# Altium PCB GE21_M1_pku_f100.PcbDoc (part 16 of 19)
Units mm, origin at the board's own origin, x right, y up, seen from the top; angles counter-clockwise.
Board outline 423.9 x 668.59 mm, 8 copper layers (Top Layer, Signal 1, DGNG1, POWER, AGND, DGND2, Signal 2, Bottom Layer), stack 1.03 mm thick; 171 components, 336 nets, 2040 pads, 4872 vias.
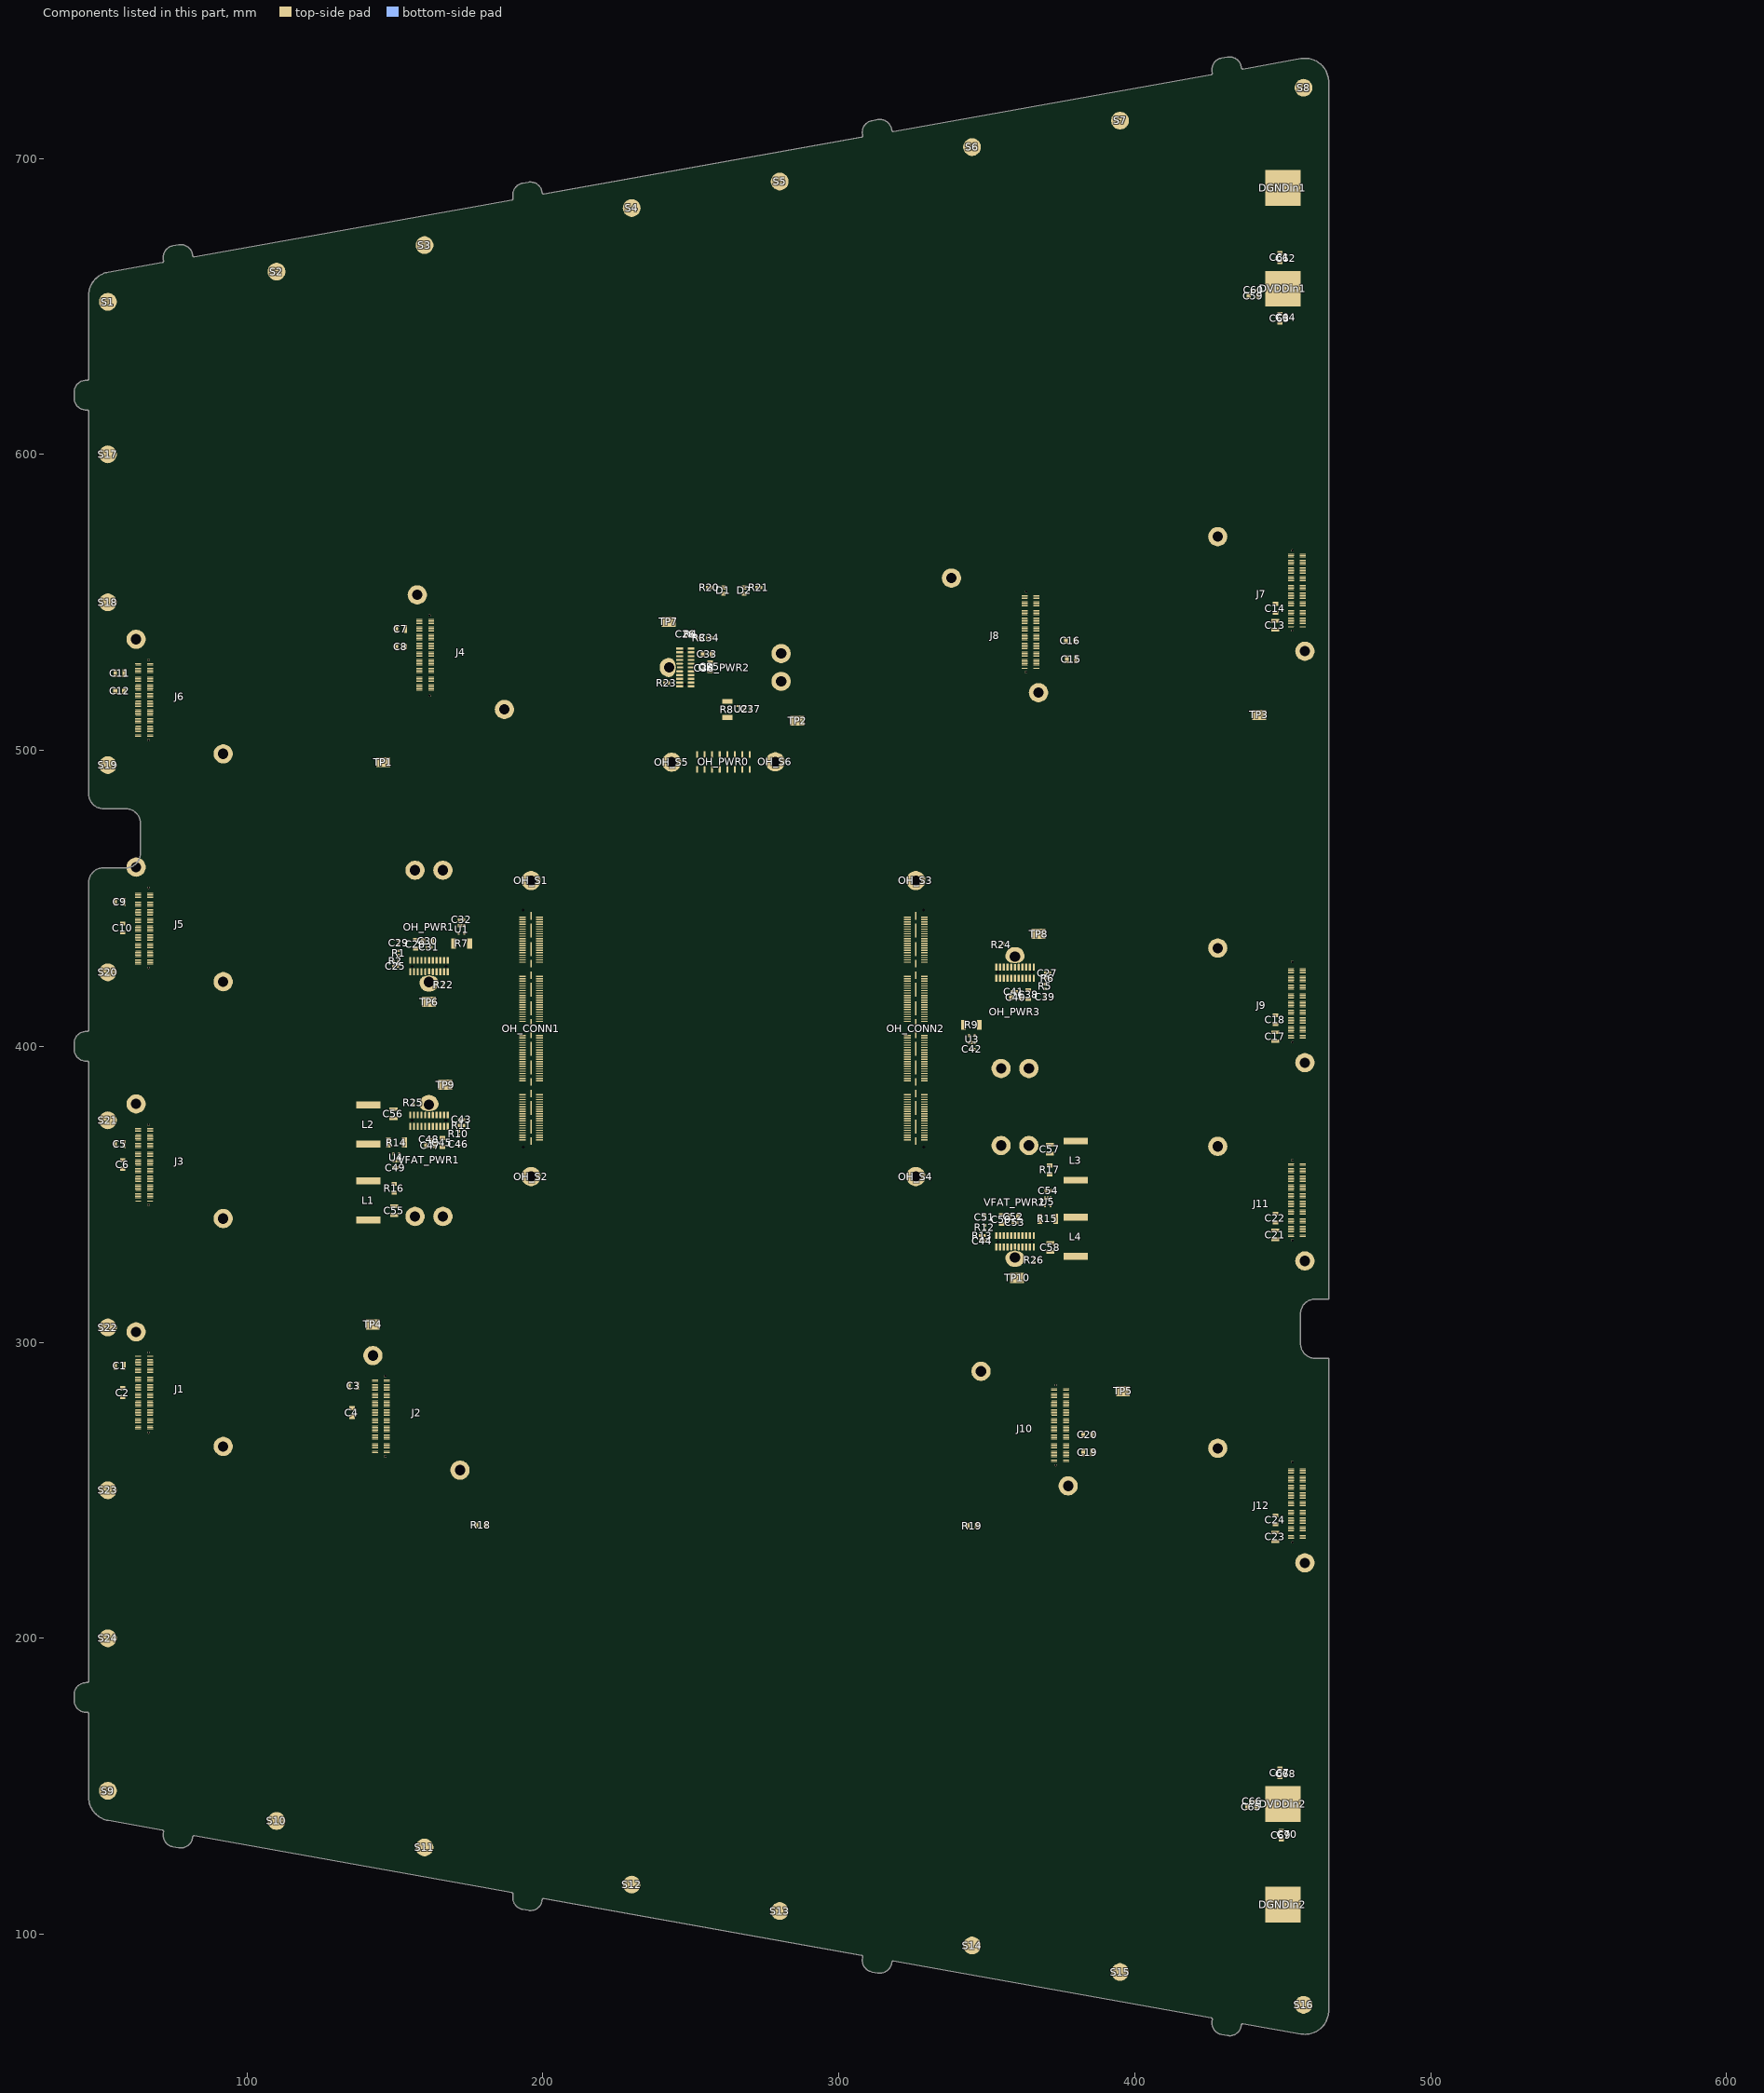
[diagram p22: the components of this part, seen from the top]

## Via types
v1: diameter 0.508, hole 0.203, Top Layer to Bottom Layer, tented both sides, 1688 vias
v2: diameter 0.402/0.402/0.402/0.201 (per signal layer), hole 0.201, Top Layer to Bottom Layer, tented both sides, 1040 vias
v3: diameter 0.507, hole 0.202, Top Layer to Bottom Layer, tented both sides, 780 vias
v4: diameter 0.4, hole 0, Top Layer to Bottom Layer, tented both sides, 438 vias
v5: diameter 0.4, hole 0.2, Top Layer to Bottom Layer, tented both sides, 288 vias
v6: diameter 0.51, hole 0.204, Top Layer to Bottom Layer, tented both sides, 288 vias
v7: diameter 0.6/0.4/0.4/0.4 (per signal layer), hole 0.3, Top Layer to Bottom Layer, tented both sides, 254 vias
v8: diameter 0.402, hole 0.201, Top Layer to Bottom Layer, tented both sides, 96 vias

## Nets (pads, with @x,y where several pads share a name; then routed paths per layer and width w, separated by ;. In a path a pad name is that pad's centre, name@x,y a point inside that pad or via, vN(x,y) a via of type N, cw(c..) or ccw(c..) an arc to the next point about the centre after c; other vN are vias at no path point) (continued)
copper on no net: (continued)
  Top Layer w0.025: 256.656,161.282 256.859,161.282 ; 256.656,161.307 256.884,161.307 ; 256.656,161.332 256.884,161.332 ; 256.656,161.358 256.884,161.358 ; 256.656,164.33 256.884,164.33 ; 256.656,164.355 256.884,164.355 ; 256.656,164.38 256.884,164.38 ; 256.656,164.406 256.859,164.406 ; 256.656,166.768 257.138,166.768 ; 256.656,166.793 257.138,166.793 ; 256.656,170.527 257.138,170.527 ; 256.656,171.619 257.621,171.619 ; 256.656,173.321 257.875,173.321 ; 256.681,152.392 257.9,152.392 ; 256.681,154.093 257.646,154.093 ; 256.681,158.945 257.164,158.945 ; 256.681,158.97 257.189,158.97 ; 256.681,161.383 256.884,161.383 ; 256.681,161.409 256.884,161.409 ; 256.681,161.434 256.91,161.434 ; 256.681,161.459 256.91,161.459 ; 256.681,164.228 256.91,164.228 ; 256.681,164.253 256.91,164.253 ; 256.681,164.279 256.884,164.279 ; 256.681,164.304 256.884,164.304 ; 256.681,166.717 257.164,166.717 ; 256.681,166.743 257.164,166.743 ; 256.681,168.114 257.392,168.114 ; 256.681,168.14 257.443,168.14 ; 256.681,170.502 257.164,170.502 ; 256.681,171.594 257.646,171.594 ; 256.681,173.296 257.9,173.296 ; 256.706,154.119 257.672,154.119 ; 256.706,158.996 257.189,158.996 ; 256.706,161.485 256.91,161.485 ; 256.706,161.51 256.91,161.51 ; 256.706,161.536 256.91,161.536 ; 256.706,161.561 256.935,161.561 ; 256.706,161.586 256.935,161.586 ; 256.706,161.612 256.935,161.612 ; 256.706,164.076 256.935,164.076 ; 256.706,164.101 256.935,164.101 ; 256.706,164.126 256.935,164.126 ; 256.706,164.152 256.91,164.152 ; 256.706,164.177 256.91,164.177 ; 256.706,164.203 256.91,164.203 ; 256.706,166.692 257.189,166.692 ; 256.706,168.089 257.367,168.089 ; 256.706,168.165 257.494,168.165 ; 256.706,168.19 258.002,168.19 ; 256.706,170.476 257.189,170.476 ; 256.706,171.569 257.672,171.569 ; 256.732,152.417 257.926,152.417 ; 256.732,154.144 257.697,154.144 ; 256.732,159.021 257.214,159.021 ; 256.732,159.046 257.214,159.046 ; 256.732,161.637 256.935,161.637 ; 256.732,161.663 256.935,161.663 ; 256.732,161.688 256.96,161.688 ; 256.732,161.713 256.96,161.713 ; 256.732,161.739 256.96,161.739 ; 256.732,163.949 256.96,163.949 ; 256.732,163.974 256.96,163.974 ; 256.732,163.999 256.96,163.999 ; 256.732,164.025 256.935,164.025 ; 256.732,164.05 256.935,164.05 ; 256.732,166.641 257.214,166.641 ; 256.732,166.666 257.214,166.666 ; 256.732,168.063 257.341,168.063 ; 256.732,168.216 257.976,168.216 ; 256.732,170.451 257.214,170.451 ; 256.732,173.27 257.926,173.27 ; 256.757,159.072 257.24,159.072 ; 256.757,159.097 257.24,159.097 ; 256.757,161.764 256.96,161.764 ; 256.757,161.79 256.96,161.79 ; 256.757,161.815 256.96,161.815 ; 256.757,161.84 256.986,161.84 ; 256.757,161.866 256.986,161.866 ; 256.757,161.891 256.986,161.891 ; 256.757,161.917 256.986,161.917 ; 256.757,163.771 256.986,163.771 ; 256.757,163.796 256.986,163.796 ; 256.757,163.822 256.986,163.822 ; 256.757,163.847 256.986,163.847 ; 256.757,163.872 256.96,163.872 ; 256.757,163.898 256.96,163.898 ; 256.757,163.923 256.96,163.923 ; 256.757,166.59 257.24,166.59 ; 256.757,166.616 257.24,166.616 ; 256.757,168.038 257.291,168.038 ; 256.757,168.241 257.951,168.241 ; 256.757,171.543 257.697,171.543 ; 256.757,173.245 257.976,173.245 ; 256.783,152.442 257.976,152.442 ; 256.783,154.17 257.748,154.17 ; 256.783,159.123 257.265,159.123 ; 256.783,161.942 256.986,161.942 ; 256.783,161.967 256.986,161.967 ; 256.783,161.993 256.986,161.993 ; 256.783,162.018 256.986,162.018 ; 256.783,162.044 257.011,162.044 ; 256.783,162.069 257.011,162.069 ; 256.783,162.094 257.011,162.094 ; 256.783,162.12 257.011,162.12 ; 256.783,163.568 257.011,163.568 ; 256.783,163.593 257.011,163.593 ; 256.783,163.618 257.011,163.618 ; 256.783,163.644 257.011,163.644 ; 256.783,163.669 257.011,163.669 ; 256.783,163.695 256.986,163.695 ; 256.783,163.72 256.986,163.72 ; 256.783,163.745 256.986,163.745 ; 256.783,166.565 257.265,166.565 ; 256.783,168.013 257.265,168.013 ; 256.783,168.267 257.926,168.267 ; 256.783,170.426 257.24,170.426 ; 256.783,171.518 257.748,171.518 ; 256.808,152.468 258.002,152.468 ; 256.808,154.195 257.773,154.195 ; 256.808,159.148 257.265,159.148 ; 256.808,159.173 257.291,159.173 ; 256.808,162.145 257.011,162.145 ; 256.808,162.171 257.011,162.171 ; 256.808,162.196 257.011,162.196 ; 256.808,162.221 257.011,162.221 ; 256.808,162.247 257.011,162.247 ; 256.808,162.272 257.011,162.272 ; 256.808,162.298 257.037,162.298 ; 256.808,162.323 257.037,162.323 ; 256.808,162.348 257.037,162.348 ; 256.808,162.374 257.037,162.374 ; 256.808,163.314 257.037,163.314 ; 256.808,163.339 257.037,163.339 ; 256.808,163.364 257.037,163.364 ; 256.808,163.39 257.037,163.39 ; 256.808,163.415 257.011,163.415 ; 256.808,163.441 257.011,163.441 ; 256.808,163.466 257.011,163.466 ; 256.808,163.491 257.011,163.491 ; 256.808,163.517 257.011,163.517 ; 256.808,163.542 257.011,163.542 ; 256.808,166.514 257.291,166.514 ; 256.808,166.539 257.265,166.539 ; 256.808,167.962 257.214,167.962 ; 256.808,167.987 257.24,167.987 ; 256.808,168.292 257.926,168.292 ; 256.808,170.4 257.265,170.4 ; 256.808,171.492 257.773,171.492 ; 256.808,173.22 258.002,173.22 ; 256.833,154.22 257.799,154.22 ; 256.833,159.199 257.291,159.199 ; 256.833,159.224 257.316,159.224 ; 256.833,162.399 257.037,162.399 ; 256.833,162.425 257.037,162.425 ; 256.833,162.45 257.037,162.45 ; 256.833,162.475 257.037,162.475 ; 256.833,162.501 257.037,162.501 ; 256.833,162.526 257.037,162.526 ; 256.833,162.552 257.037,162.552 ; 256.833,162.577 257.037,162.577 ; 256.833,162.602 257.037,162.602 ; 256.833,162.628 257.037,162.628 ; 256.833,162.653 257.037,162.653 ; 256.833,162.679 257.037,162.679 ; 256.833,162.704 257.037,162.704 ; 256.833,162.729 257.037,162.729 ; 256.833,162.755 257.037,162.755 ; 256.833,162.78 257.037,162.78 ; 256.833,162.806 257.037,162.806 ; 256.833,162.831 257.037,162.831 ; 256.833,162.856 257.037,162.856 ; 256.833,162.882 257.037,162.882 ; 256.833,162.907 257.037,162.907 ; 256.833,162.933 257.037,162.933 ; 256.833,162.958 257.037,162.958 ; 256.833,162.983 257.037,162.983 ; 256.833,163.009 257.037,163.009 ; 256.833,163.034 257.037,163.034 ; 256.833,163.06 257.037,163.06 ; 256.833,163.085 257.037,163.085 ; 256.833,163.11 257.037,163.11 ; 256.833,163.136 257.037,163.136 ; 256.833,163.161 257.037,163.161 ; 256.833,163.187 257.037,163.187 ; 256.833,163.212 257.037,163.212 ; 256.833,163.237 257.037,163.237 ; 256.833,163.263 257.037,163.263 ; 256.833,163.288 257.037,163.288 ; 256.833,166.463 257.316,166.463 ; 256.833,166.489 257.291,166.489 ; 256.833,167.936 257.189,167.936 ; 256.833,170.375 257.291,170.375 ; 256.833,171.467 257.799,171.467 ; 256.833,173.194 258.027,173.194 ; 256.859,152.493 258.027,152.493 ; 256.859,159.25 257.316,159.25 ; 256.859,159.275 257.341,159.275 ; 256.859,166.412 257.341,166.412 ; 256.859,166.438 257.316,166.438 ; 256.859,167.911 257.164,167.911 ; 256.859,168.317 257.9,168.317 ; 256.859,170.349 257.291,170.349 ; 256.884,152.519 258.078,152.519 ; 256.884,154.246 257.824,154.246 ; 256.884,159.3 257.341,159.3 ; 256.884,159.326 257.367,159.326 ; 256.884,166.362 257.367,166.362 ; 256.884,166.387 257.341,166.387 ; 256.884,167.886 257.138,167.886 ; 256.884,168.343 257.9,168.343 ; 256.884,170.324 257.265,170.324 ; 256.884,171.442 257.824,171.442 ; 256.884,173.169 258.078,173.169 ; 256.91,154.271 257.849,154.271 ; 256.91,159.351 257.367,159.351 ; 256.91,159.377 257.392,159.377 ; 256.91,166.311 257.392,166.311 ; 256.91,166.336 257.367,166.336 ; 256.91,167.86 257.087,167.86 ; 256.91,171.416 257.849,171.416 ; 256.935,152.544 258.103,152.544 ; 256.935,154.297 257.875,154.297 ; 256.935,159.402 257.392,159.402 ; 256.935,166.26 257.418,166.26 ; 256.935,166.285 257.392,166.285 ; 256.935,167.835 257.062,167.835 ; 256.935,168.368 257.9,168.368 ; 256.935,170.299 257.265,170.299 ; 256.935,171.391 257.875,171.391 ; 256.935,173.143 258.103,173.143 ; 256.96,152.569 258.129,152.569 ; 256.96,159.427 257.418,159.427 ; 256.96,159.453 257.418,159.453 ; 256.96,159.478 257.443,159.478 ; 256.96,166.209 257.443,166.209 ; 256.96,166.235 257.418,166.235 ; 256.96,170.273 257.24,170.273 ; 256.96,171.365 257.9,171.365 ; 256.96,173.118 258.129,173.118 ; 256.986,154.322 257.9,154.322 ; 256.986,159.504 257.443,159.504 ; 256.986,159.529 257.468,159.529 ; 256.986,166.158 257.468,166.158 ; 256.986,166.184 257.443,166.184 ; 256.986,167.809 257.011,167.809 ; 256.986,168.394 257.9,168.394 ; 256.986,170.248 257.214,170.248 ; 256.986,173.093 258.154,173.093 ; 257.011,152.595 258.18,152.595 ; 257.011,154.347 257.926,154.347 ; 257.011,159.554 257.468,159.554 ; 257.011,159.58 257.494,159.58 ; 257.011,166.108 257.494,166.108 ; 257.011,166.133 257.468,166.133 ; 257.011,168.419 257.9,168.419 ; 257.011,170.222 257.189,170.222 ; 257.011,171.34 257.926,171.34 ; 257.037,152.62 258.205,152.62 ; 257.037,154.373 257.951,154.373 ; 257.037,159.605 257.494,159.605 ; 257.037,159.631 257.519,159.631 ; 257.037,166.057 257.519,166.057 ; 257.037,166.082 257.494,166.082 ; 257.037,168.444 257.926,168.444 ; 257.037,171.315 257.951,171.315 ; 257.037,173.067 258.205,173.067 ; 257.062,154.398 258.002,154.398 ; 257.062,159.656 257.519,159.656 ; 257.062,159.681 257.519,159.681 ; 257.062,166.006 257.519,166.006 ; 257.062,166.031 257.519,166.031 ; 257.062,168.47 257.951,168.47 ; 257.062,171.289 258.002,171.289 ; 257.087,152.646 258.23,152.646 ; 257.087,159.707 257.545,159.707 ; 257.087,159.732 257.545,159.732 ; 257.087,165.955 257.545,165.955 ; 257.087,165.981 257.545,165.981 ; 257.087,168.495 257.976,168.495 ; 257.087,173.042 258.23,173.042 ; 257.113,152.671 258.256,152.671 ; 257.113,154.424 258.027,154.424 ; 257.113,159.758 257.57,159.758 ; 257.113,159.783 257.57,159.783 ; 257.113,165.879 257.57,165.879 ; 257.113,165.904 257.57,165.904 ; 257.113,165.93 257.57,165.93 ; 257.113,168.521 258.027,168.521 ; 257.113,171.264 258.027,171.264 ; 257.113,173.016 258.256,173.016 ; 257.138,154.449 258.053,154.449 ; 257.138,159.808 257.57,159.808 ; 257.138,159.834 257.595,159.834 ; 257.138,159.859 257.595,159.859 ; 257.138,165.828 257.595,165.828 ; 257.138,165.854 257.595,165.854 ; 257.138,171.238 258.053,171.238 ; 257.138,172.991 258.307,172.991 ; 257.164,152.696 258.307,152.696 ; 257.164,154.474 258.078,154.474 ; 257.164,159.885 257.621,159.885 ; 257.164,159.91 257.621,159.91 ; 257.164,165.777 257.621,165.777 ; 257.164,165.803 257.621,165.803 ; 257.164,168.546 258.078,168.546 ; 257.164,171.213 258.078,171.213 ; 257.189,152.722 258.332,152.722 ; 257.189,154.5 258.103,154.5 ; 257.189,159.935 257.646,159.935 ; 257.189,159.961 257.646,159.961 ; 257.189,159.986 257.646,159.986 ; 257.189,165.701 257.646,165.701 ; 257.189,165.727 257.646,165.727 ; 257.189,165.752 257.646,165.752 ; 257.189,168.571 258.103,168.571 ; 257.189,171.188 258.103,171.188 ; 257.189,172.966 258.332,172.966 ; 257.214,154.525 258.129,154.525 ; 257.214,160.012 257.672,160.012 ; 257.214,160.037 257.672,160.037 ; 257.214,165.65 257.672,165.65 ; 257.214,165.676 257.672,165.676 ; 257.214,171.162 258.129,171.162 ; 257.214,172.94 258.357,172.94 ; 257.24,152.747 258.357,152.747 ; 257.24,160.062 257.672,160.062 ; 257.24,160.088 257.697,160.088 ; 257.24,160.113 257.697,160.113 ; 257.24,165.574 257.697,165.574 ; 257.24,165.6 257.697,165.6 ; 257.24,165.625 257.672,165.625 ; 257.24,168.597 258.103,168.597 ; 257.265,152.773 258.383,152.773 ; 257.265,154.551 258.154,154.551 ; 257.265,160.139 257.697,160.139 ; 257.265,160.164 257.722,160.164 ; 257.265,165.498 257.722,165.498 ; 257.265,165.523 257.722,165.523 ; 257.265,165.549 257.697,165.549 ; 257.265,168.622 258.129,168.622 ; 257.265,171.137 258.154,171.137 ; 257.265,172.915 258.383,172.915 ; 257.291,152.798 258.434,152.798 ; 257.291,154.576 258.18,154.576 ; 257.291,160.189 257.722,160.189 ; 257.291,160.215 257.748,160.215 ; 257.291,160.24 257.748,160.24 ; 257.291,165.447 257.748,165.447 ; 257.291,165.473 257.748,165.473 ; 257.291,168.648 258.637,168.648 ; 257.291,171.111 258.18,171.111 ; 257.291,172.889 258.434,172.889 ; 257.316,154.601 258.205,154.601 ; 257.316,160.266 257.748,160.266 ; 257.316,160.291 257.773,160.291 ; 257.316,160.316 257.773,160.316 ; 257.316,165.371 257.773,165.371 ; 257.316,165.396 257.773,165.396 ; 257.316,165.422 257.748,165.422 ; 257.316,168.673 258.611,168.673 ; 257.316,171.086 258.205,171.086 ; 257.341,152.823 258.459,152.823 ; 257.341,154.627 258.23,154.627 ; 257.341,160.342 257.773,160.342 ; 257.341,160.367 257.799,160.367 ; 257.341,165.32 257.799,165.32 ; 257.341,165.346 257.773,165.346 ; 257.341,171.061 258.23,171.061 ; 257.341,172.864 258.459,172.864 ; 257.367,152.849 258.484,152.849 ; 257.367,154.652 258.256,154.652 ; 257.367,160.393 257.799,160.393 ; 257.367,160.418 257.799,160.418 ; 257.367,160.443 257.824,160.443 ; 257.367,165.244 257.824,165.244 ; 257.367,165.269 257.799,165.269 ; 257.367,165.295 257.799,165.295 ; 257.367,168.698 258.586,168.698 ; 257.367,171.035 258.256,171.035 ; 257.367,172.839 258.484,172.839 ; 257.392,154.678 258.281,154.678 ; 257.392,160.469 257.824,160.469 ; 257.392,160.494 257.824,160.494 ; 257.392,160.52 257.849,160.52 ; 257.392,165.168 257.824,165.168 ; 257.392,165.193 257.824,165.193 ; 257.392,165.219 257.824,165.219 ; 257.392,168.724 258.586,168.724 ; 257.392,171.01 258.281,171.01 ; 257.418,152.874 258.51,152.874 ; 257.418,154.703 258.307,154.703 ; 257.418,160.545 257.849,160.545 ; 257.418,160.57 257.849,160.57 ; 257.418,160.596 257.849,160.596 ; 257.418,165.092 257.849,165.092 ; 257.418,165.117 257.849,165.117 ; 257.418,165.142 257.849,165.142 ; 257.418,168.749 258.561,168.749 ; 257.418,170.984 258.307,170.984 ; 257.418,172.813 258.51,172.813 ; 257.443,152.9 258.535,152.9 ; 257.443,160.621 257.875,160.621 ; 257.443,160.647 257.875,160.647 ; 257.443,160.672 257.875,160.672 ; 257.443,160.697 257.9,160.697 ; 257.443,164.99 257.9,164.99 ; 257.443,165.015 257.875,165.015 ; 257.443,165.041 257.875,165.041 ; 257.443,165.066 257.875,165.066 ; 257.443,172.788 258.535,172.788 ; 257.468,152.925 258.586,152.925 ; 257.468,154.728 258.332,154.728 ; 257.468,160.723 257.9,160.723 ; 257.468,160.748 257.9,160.748 ; 257.468,160.774 257.9,160.774 ; 257.468,164.914 257.9,164.914 ; 257.468,164.939 257.9,164.939 ; 257.468,164.965 257.9,164.965 ; 257.468,167.073 257.926,167.073 ; 257.468,167.098 257.926,167.098 ; 257.468,167.124 257.951,167.124 ; 257.468,167.149 257.951,167.149 ; 257.468,167.174 257.976,167.174 ; 257.468,167.2 257.976,167.2 ; 257.468,167.225 257.976,167.225 ; 257.468,168.775 258.535,168.775 ; 257.468,170.959 258.332,170.959 ; 257.468,172.762 258.586,172.762 ; 257.494,154.754 258.357,154.754 ; 257.494,160.799 257.926,160.799 ; 257.494,160.824 257.926,160.824 ; 257.494,160.85 257.926,160.85 ; 257.494,160.875 257.951,160.875 ; 257.494,164.812 257.951,164.812 ; 257.494,164.838 257.926,164.838 ; 257.494,164.863 257.926,164.863 ; 257.494,164.888 257.926,164.888 ; 257.494,167.047 257.9,167.047 ; 257.494,167.251 257.976,167.251 ; 257.494,167.276 257.976,167.276 ; 257.494,167.301 257.976,167.301 ; 257.494,168.8 258.535,168.8 ; 257.494,170.934 258.357,170.934 ; 257.519,152.95 258.611,152.95 ; 257.519,154.779 258.383,154.779 ; 257.519,160.901 257.951,160.901 ; 257.519,160.926 257.951,160.926 ; 257.519,160.951 257.951,160.951 ; 257.519,160.977 257.976,160.977 ; 257.519,164.711 257.976,164.711 ; 257.519,164.736 257.951,164.736 ; 257.519,164.761 257.951,164.761 ; 257.519,164.787 257.951,164.787 ; 257.519,167.022 257.875,167.022 ; 257.519,167.327 257.976,167.327 ; 257.519,167.352 257.976,167.352 ; 257.519,167.378 257.976,167.378 ; 257.519,168.825 258.51,168.825 ; 257.519,170.908 258.383,170.908 ; 257.519,172.737 258.611,172.737 ; 257.545,152.976 258.637,152.976 ; 257.545,154.805 258.408,154.805 ; 257.545,161.002 257.976,161.002 ; 257.545,161.028 257.976,161.028 ; 257.545,161.053 257.976,161.053 ; 257.545,161.078 257.976,161.078 ; 257.545,164.609 257.976,164.609 ; 257.545,164.634 257.976,164.634 ; 257.545,164.66 257.976,164.66 ; 257.545,164.685 257.976,164.685 ; 257.545,166.971 257.849,166.971 ; 257.545,166.997 257.849,166.997 ; 257.545,167.403 257.976,167.403 ; 257.545,167.428 257.976,167.428 ; 257.545,167.454 257.976,167.454 ; 257.545,170.883 258.408,170.883 ; 257.545,172.712 258.637,172.712 ; 257.57,153.001 258.662,153.001 ; 257.57,154.83 258.434,154.83 ; 257.57,161.104 258.002,161.104 ; 257.57,161.129 258.002,161.129 ; 257.57,161.155 258.002,161.155 ; 257.57,161.18 258.002,161.18 ; 257.57,164.507 258.002,164.507 ; 257.57,164.533 258.002,164.533 ; 257.57,164.558 258.002,164.558 ; 257.57,164.584 258.002,164.584 ; 257.57,166.92 257.799,166.92 ; 257.57,166.946 257.824,166.946 ; 257.57,167.479 257.976,167.479 ; 257.57,167.505 257.976,167.505 ; 257.57,168.851 258.484,168.851 ; 257.57,170.857 258.434,170.857 ; 257.57,172.686 258.662,172.686 ; 257.595,154.855 258.459,154.855 ; 257.595,161.205 258.027,161.205 ; 257.595,161.231 258.027,161.231 ; 257.595,161.256 258.027,161.256 ; 257.595,161.282 258.027,161.282 ; 257.595,161.307 258.027,161.307 ; 257.595,164.38 258.027,164.38 ; 257.595,164.406 258.027,164.406 ; 257.595,164.431 258.027,164.431 ; 257.595,164.457 258.027,164.457 ; 257.595,164.482 258.027,164.482 ; 257.595,166.844 257.773,166.844 ; 257.595,166.87 257.773,166.87 ; 257.595,166.895 257.799,166.895 ; 257.595,167.53 258.002,167.53 ; 257.595,167.555 258.027,167.555 ; 257.595,168.876 258.459,168.876 ; 257.595,170.832 258.459,170.832 ; 257.595,172.661 258.688,172.661 ; 257.621,153.027 258.688,153.027 ; 257.621,154.881 258.484,154.881 ; 257.621,161.332 258.053,161.332 ; 257.621,161.358 258.053,161.358 ; 257.621,161.383 258.053,161.383 ; 257.621,161.409 258.053,161.409 ; 257.621,161.434 258.053,161.434 ; 257.621,164.228 258.053,164.228 ; 257.621,164.253 258.053,164.253 ; 257.621,164.279 258.053,164.279 ; 257.621,164.304 258.053,164.304 ; 257.621,164.33 258.053,164.33 ; 257.621,164.355 258.053,164.355 ; 257.621,166.819 257.773,166.819 ; 257.621,167.581 258.053,167.581 ; 257.621,167.606 258.738,167.606 ; 257.621,167.632 258.789,167.632 ; 257.621,168.902 258.459,168.902 ; 257.621,170.807 258.484,170.807 ; 257.646,153.052 258.713,153.052 ; 257.646,154.906 258.51,154.906 ; 257.646,161.459 258.053,161.459 ; 257.646,161.485 258.078,161.485 ; 257.646,161.51 258.078,161.51 ; 257.646,161.536 258.078,161.536 ; 257.646,161.561 258.078,161.561 ; 257.646,161.586 258.078,161.586 ; 257.646,164.076 258.078,164.076 ; 257.646,164.101 258.078,164.101 ; 257.646,164.126 258.078,164.126 ; 257.646,164.152 258.078,164.152 ; 257.646,164.177 258.078,164.177 ; 257.646,164.203 258.078,164.203 ; 257.646,166.793 257.773,166.793 ; 257.646,167.657 258.815,167.657 ; 257.646,167.682 258.84,167.682 ; 257.646,168.165 258.027,168.165 ; 257.646,170.781 258.51,170.781 ; 257.646,172.635 258.713,172.635 ; 257.672,153.077 258.738,153.077 ; 257.672,154.932 258.535,154.932 ; 257.672,161.612 258.078,161.612 ; 257.672,161.637 258.103,161.637 ; 257.672,161.663 258.103,161.663 ; 257.672,161.688 258.103,161.688 ; 257.672,161.713 258.103,161.713 ; 257.672,161.739 258.103,161.739 ; 257.672,161.764 258.103,161.764 ; 257.672,163.923 258.103,163.923 ; 257.672,163.949 258.103,163.949 ; 257.672,163.974 258.103,163.974 ; 257.672,163.999 258.103,163.999 ; 257.672,164.025 258.103,164.025 ; 257.672,164.05 258.103,164.05 ; 257.672,166.768 257.773,166.768 ; 257.672,167.708 258.865,167.708 ; 257.672,167.733 258.891,167.733 ; 257.672,167.759 258.916,167.759 ; 257.672,168.927 258.434,168.927 ; 257.672,170.756 258.535,170.756 ; 257.672,172.61 258.738,172.61 ; 257.697,153.103 258.789,153.103 ; 257.697,154.957 258.561,154.957 ; 257.697,161.79 258.103,161.79 ; 257.697,161.815 258.129,161.815 ; 257.697,161.84 258.129,161.84 ; 257.697,161.866 258.129,161.866 ; 257.697,161.891 258.129,161.891 ; 257.697,161.917 258.129,161.917 ; 257.697,161.942 258.129,161.942 ; 257.697,161.967 258.129,161.967 ; 257.697,163.72 258.129,163.72 ; 257.697,163.745 258.129,163.745 ; 257.697,163.771 258.129,163.771 ; 257.697,163.796 258.129,163.796 ; 257.697,163.822 258.129,163.822 ; 257.697,163.847 258.129,163.847 ; 257.697,163.872 258.129,163.872 ; 257.697,163.898 258.103,163.898 ; 257.697,167.784 258.916,167.784 ; 257.697,167.809 258.942,167.809 ; 257.697,167.835 